# KiCad board q2.kicad_pcb (continued)
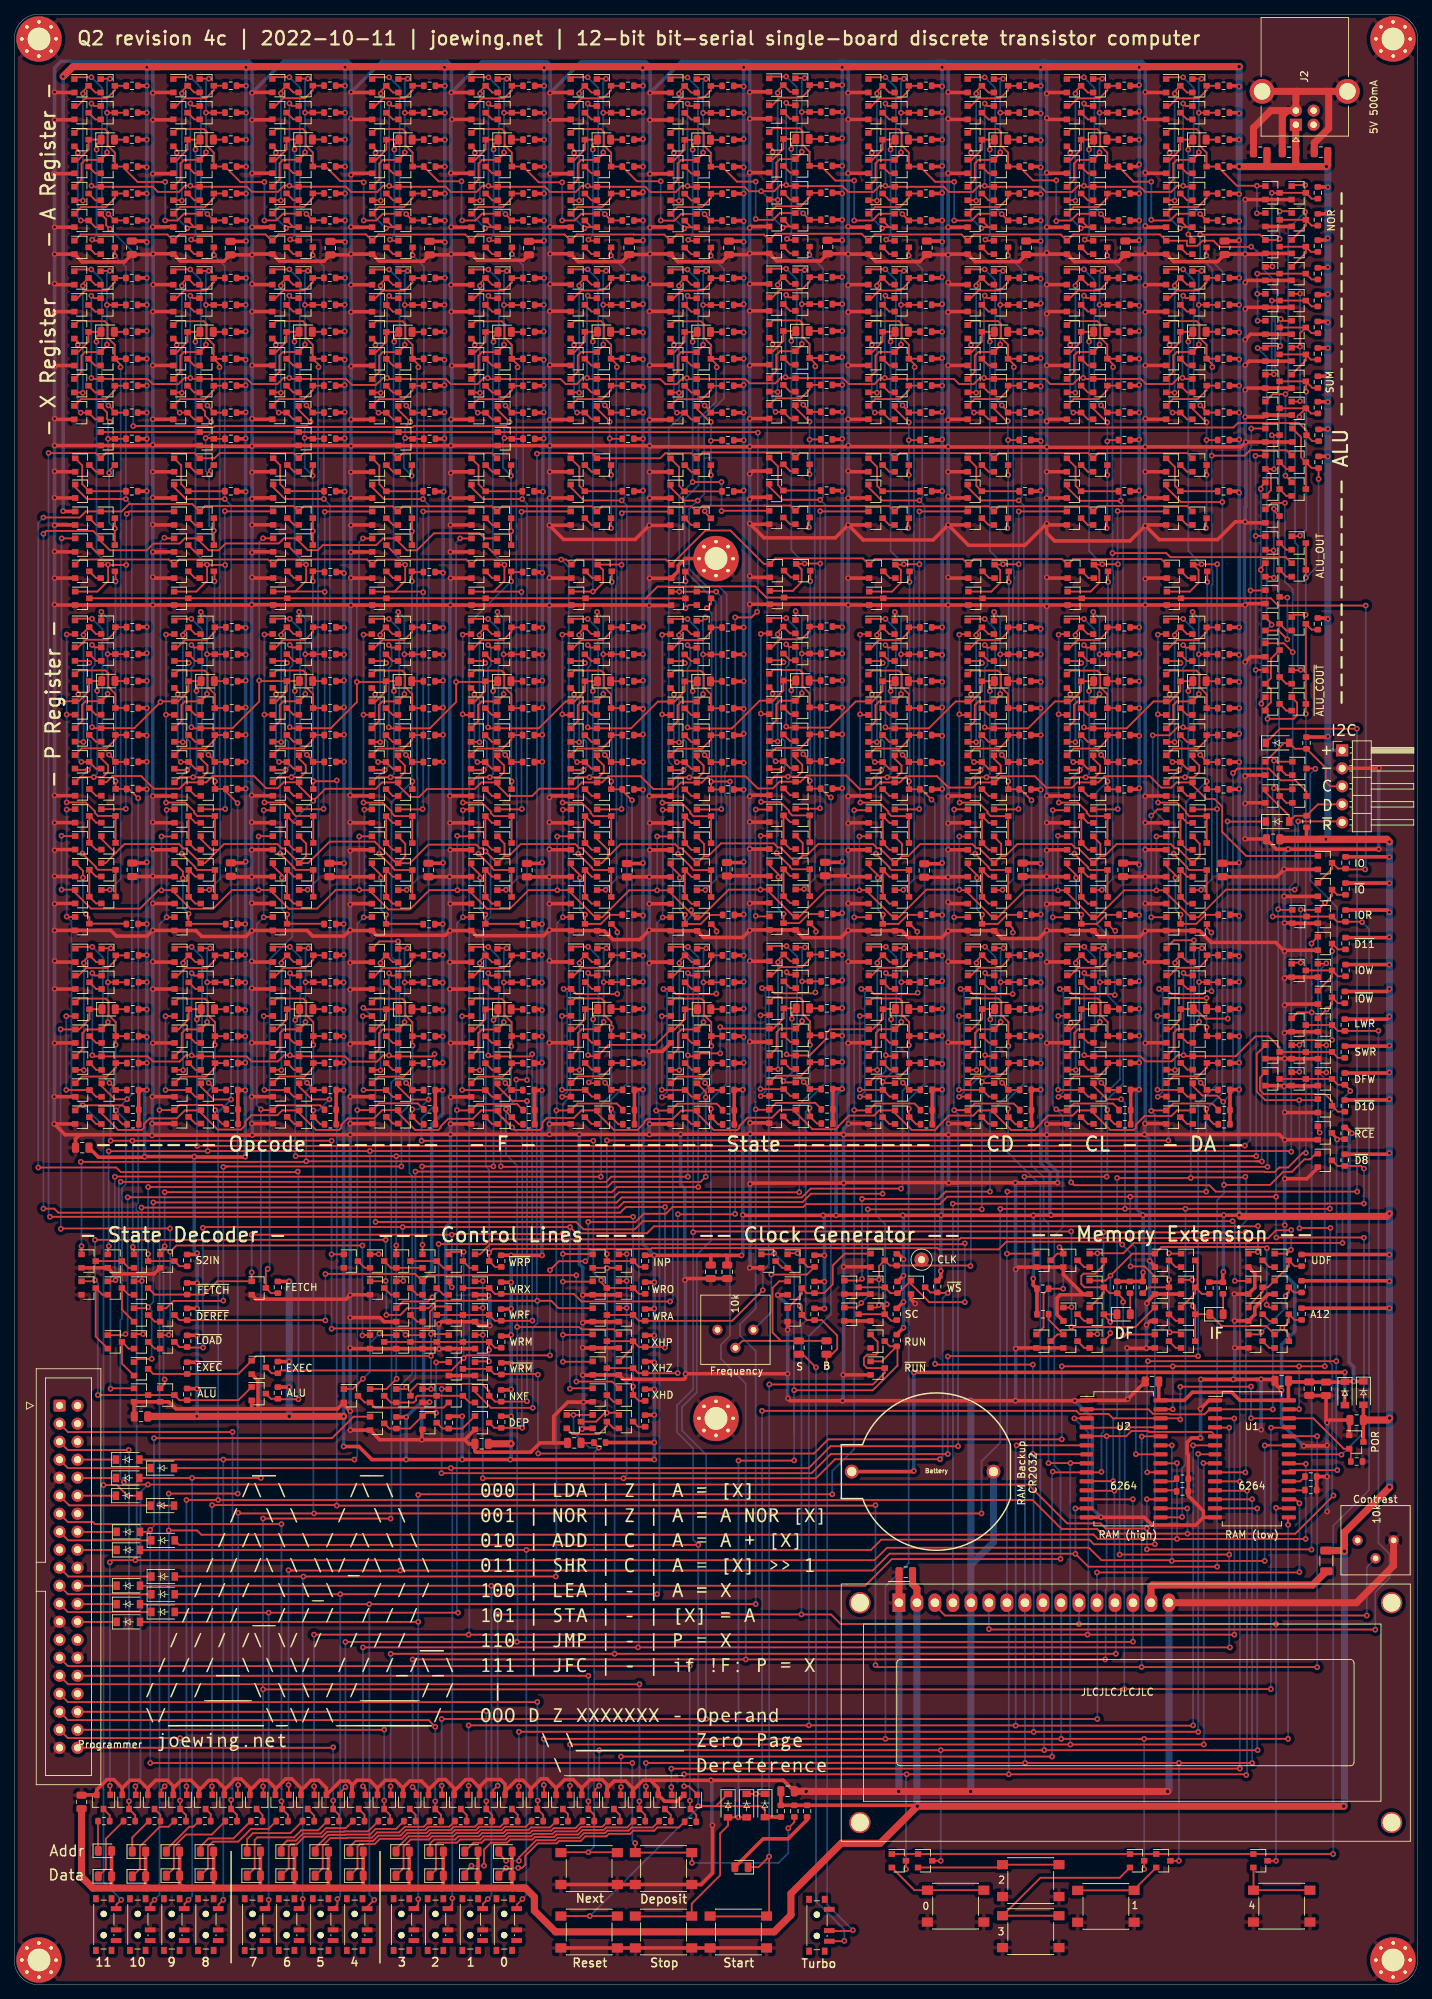
[diagram p0: board, top side]
## Placement (name value [footprint] x y rotation side) (continued)
Q265  2N7002  [SOT-23]  51.44 183.9 0 top
Q266  2N7002  [SOT-23]  51.44 187.7 0 top
Q267  2N7002  [SOT-23]  51.44 176.3 0 top
Q268  2N7002  [SOT-23]  55.14 172.5 0 top
Q269  2N7002  [SOT-23]  51.44 172.5 0 top
Q270  2N7002  [SOT-23]  55.17 145.22 0 top
Q271  2N7002  [SOT-23]  55.17 133.82 0 top
Q272  2N7002  [SOT-23]  51.47 133.82 0 top
Q273  2N7002  [SOT-23]  51.47 145.22 0 top
Q274  2N7002  [SOT-23]  55.17 141.42 0 top
Q275  2N7002  [SOT-23]  55.17 130.02 0 top
Q276  2N7002  [SOT-23]  51.47 137.62 0 top
Q277  2N7002  [SOT-23]  51.47 141.42 0 top
Q278  2N7002  [SOT-23]  51.47 130.02 0 top
Q279  2N7002  [SOT-23]  55.17 126.22 0 top
Q280  2N7002  [SOT-23]  51.47 126.22 0 top
Q281  2N7002  [SOT-23]  69.2 122.4 0 top
Q282  2N7002K  [SOT-23]  65.45 122.4 0 top
Q283  2N7002  [SOT-23]  69.2 245.1 0 top
Q284  2N7002  [SOT-23]  65.5 245.1 0 top
Q285  2N7002  [SOT-23]  69.2 267.9 0 top
Q286  2N7002  [SOT-23]  69.2 256.5 0 top
Q287  2N7002  [SOT-23]  65.5 256.5 0 top
Q288  2N7002  [SOT-23]  65.5 267.9 0 top
Q289  2N7002  [SOT-23]  69.2 264.1 0 top
Q290  2N7002  [SOT-23]  69.2 252.7 0 top
Q291  2N7002  [SOT-23]  65.5 260.3 0 top
Q292  2N7002  [SOT-23]  65.5 264.1 0 top
Q293  2N7002  [SOT-23]  65.5 252.7 0 top
Q294  2N7002  [SOT-23]  69.2 248.9 0 top
Q295  2N7002  [SOT-23]  65.5 248.9 0 top
Q296  2N7002  [SOT-23]  69.11 199.39 0 top
Q297  2N7002  [SOT-23]  69.21 218.09 0 top
Q298  2N7002  [SOT-23]  69.11 203.09 0 top
Q299  2N7002  [SOT-23]  69.11 206.89 0 top
Q300  2N7002  [SOT-23]  69.11 214.39 0 top
Q301  2N7002  [SOT-23]  65.51 199.39 0 top
Q302  2N7002  [SOT-23]  65.51 203.09 0 top
Q303  2N7002  [SOT-23]  65.51 206.89 0 top
Q304  2N7002  [SOT-23]  65.51 214.39 0 top
Q305  2N7002  [SOT-23]  65.51 195.59 0 top
Q306  2N7002  [SOT-23]  65.51 210.69 0 top
Q307  2N7002  [SOT-23]  69.19 240.78 0 top
Q308  2N7002  [SOT-23]  69.19 229.38 0 top
Q309  2N7002  [SOT-23]  65.49 229.38 0 top
Q310  2N7002  [SOT-23]  65.49 240.78 0 top
Q311  2N7002  [SOT-23]  69.19 236.98 0 top
Q312  2N7002  [SOT-23]  69.19 225.58 0 top
Q313  2N7002  [SOT-23]  65.49 233.18 0 top
Q314  2N7002  [SOT-23]  65.49 236.98 0 top
Q315  2N7002  [SOT-23]  65.49 225.58 0 top
Q316  2N7002  [SOT-23]  69.19 221.78 0 top
Q317  2N7002  [SOT-23]  65.49 221.78 0 top
Q318  2N7002  [SOT-23]  69.17 168.67 0 top
Q319  2N7002  [SOT-23]  65.47 168.67 0 top
Q320  2N7002  [SOT-23]  69.17 157.27 0 top
Q321  2N7002  [SOT-23]  69.17 153.47 0 top
Q322  2N7002  [SOT-23]  69.17 161.07 0 top
Q323  2N7002  [SOT-23]  69.17 164.87 0 top
Q324  2N7002K  [SOT-23]  65.47 153.47 0 top
Q325  2N7002  [SOT-23]  65.47 157.27 0 top
Q326  2N7002K  [SOT-23]  65.47 161.07 0 top
Q327  2N7002K  [SOT-23]  65.47 164.87 0 top
Q328  2N7002K  [SOT-23]  65.47 149.67 0 top
Q329  2N7002  [SOT-23]  69.14 191.5 0 top
Q330  2N7002  [SOT-23]  69.14 180.1 0 top
Q331  2N7002  [SOT-23]  65.44 180.1 0 top
Q332  2N7002  [SOT-23]  65.44 191.5 0 top
Q333  2N7002  [SOT-23]  69.14 187.7 0 top
Q334  2N7002  [SOT-23]  69.14 176.3 0 top
Q335  2N7002  [SOT-23]  65.44 183.9 0 top
Q336  2N7002  [SOT-23]  65.44 187.7 0 top
Q337  2N7002  [SOT-23]  65.44 176.3 0 top
Q338  2N7002  [SOT-23]  69.14 172.5 0 top
Q339  2N7002  [SOT-23]  65.44 172.5 0 top
Q340  2N7002  [SOT-23]  69.17 145.22 0 top
Q341  2N7002  [SOT-23]  69.17 133.82 0 top
Q342  2N7002  [SOT-23]  65.47 133.82 0 top
Q343  2N7002  [SOT-23]  65.47 145.22 0 top
Q344  2N7002  [SOT-23]  69.17 141.42 0 top
Q345  2N7002  [SOT-23]  69.17 130.02 0 top
Q346  2N7002  [SOT-23]  65.47 137.62 0 top
Q347  2N7002  [SOT-23]  65.47 141.42 0 top
Q348  2N7002  [SOT-23]  65.47 130.02 0 top
Q349  2N7002  [SOT-23]  69.17 126.22 0 top
Q350  2N7002  [SOT-23]  65.47 126.22 0 top
Q351  2N7002  [SOT-23]  111.25 122.5 0 top
Q352  2N7002K  [SOT-23]  107.5 122.5 0 top
Q353  2N7002K  [SOT-23]  111.25 149.75 0 top
Q354  2N7002  [SOT-23]  111.2 245.2 0 top
Q355  2N7002  [SOT-23]  107.5 245.2 0 top
Q356  2N7002  [SOT-23]  111.2 268 0 top
Q357  2N7002  [SOT-23]  111.2 256.6 0 top
Q358  2N7002  [SOT-23]  107.5 256.6 0 top
Q359  2N7002  [SOT-23]  107.5 268 0 top
Q360  2N7002  [SOT-23]  111.2 264.2 0 top
Q361  2N7002  [SOT-23]  111.2 252.8 0 top
Q362  2N7002  [SOT-23]  107.5 260.4 0 top
Q363  2N7002  [SOT-23]  107.5 264.2 0 top
Q364  2N7002  [SOT-23]  107.5 252.8 0 top
Q365  2N7002  [SOT-23]  111.2 249 0 top
Q366  2N7002  [SOT-23]  107.5 249 0 top
Q367  2N7002  [SOT-23]  111.23 168.77 0 top
Q368  2N7002  [SOT-23]  107.53 168.77 0 top
Q369  2N7002  [SOT-23]  111.23 157.37 0 top
Q370  2N7002  [SOT-23]  111.23 153.57 0 top
Q371  2N7002  [SOT-23]  111.23 161.17 0 top
Q372  2N7002  [SOT-23]  111.23 164.97 0 top
Q373  2N7002K  [SOT-23]  107.53 153.57 0 top
Q374  2N7002  [SOT-23]  107.53 157.37 0 top
Q375  2N7002K  [SOT-23]  107.53 161.17 0 top
Q376  2N7002K  [SOT-23]  107.53 164.97 0 top
Q377  2N7002K  [SOT-23]  107.53 149.77 0 top
Q378  2N7002  [SOT-23]  111.2 191.6 0 top
Q379  2N7002  [SOT-23]  111.2 180.2 0 top
Q380  2N7002  [SOT-23]  107.5 180.2 0 top
Q381  2N7002  [SOT-23]  107.5 191.6 0 top
Q382  2N7002  [SOT-23]  111.2 187.8 0 top
Q383  2N7002  [SOT-23]  111.2 176.4 0 top
Q384  2N7002  [SOT-23]  107.5 184 0 top
Q385  2N7002  [SOT-23]  107.5 187.8 0 top
Q386  2N7002  [SOT-23]  107.5 176.4 0 top
Q387  2N7002  [SOT-23]  111.2 172.6 0 top
Q388  2N7002  [SOT-23]  107.5 172.6 0 top
Q389  2N7002  [SOT-23]  111.3 199.5 0 top
Q390  2N7002  [SOT-23]  111.2 207 0 top
Q391  2N7002  [SOT-23]  111.2 214.5 0 top
Q392  2N7002  [SOT-23]  107.6 199.5 0 top
Q393  2N7002  [SOT-23]  107.5 207 0 top
Q394  2N7002  [SOT-23]  107.5 214.5 0 top
Q395  2N7002  [SOT-23]  107.6 195.7 0 top
Q396  2N7002  [SOT-23]  107.5 210.8 0 top
Q397  2N7002  [SOT-23]  111.2 240.9 0 top
Q398  2N7002  [SOT-23]  111.2 229.5 0 top
Q399  2N7002  [SOT-23]  107.5 229.5 0 top
Q400  2N7002  [SOT-23]  107.5 240.9 0 top
Q401  2N7002  [SOT-23]  111.2 237.1 0 top
Q402  2N7002  [SOT-23]  111.2 225.7 0 top
Q403  2N7002  [SOT-23]  107.5 233.3 0 top
Q404  2N7002  [SOT-23]  107.5 237.1 0 top
Q405  2N7002  [SOT-23]  107.5 225.7 0 top
Q406  2N7002  [SOT-23]  111.2 221.9 0 top
Q407  2N7002  [SOT-23]  107.5 221.9 0 top
Q408  2N7002  [SOT-23]  111.25 145.35 0 top
Q409  2N7002  [SOT-23]  111.25 133.95 0 top
Q410  2N7002  [SOT-23]  107.55 133.95 0 top
Q411  2N7002  [SOT-23]  107.55 145.35 0 top
Q412  2N7002  [SOT-23]  111.25 141.55 0 top
Q413  2N7002  [SOT-23]  111.25 130.15 0 top
Q414  2N7002  [SOT-23]  107.55 137.75 0 top
Q415  2N7002  [SOT-23]  107.55 141.55 0 top
Q416  2N7002  [SOT-23]  107.55 130.15 0 top
Q417  2N7002  [SOT-23]  111.25 126.35 0 top
Q418  2N7002  [SOT-23]  107.55 126.35 0 top
Q419  2N7002  [SOT-23]  125.25 122.4 0 top
Q420  2N7002K  [SOT-23]  121.5 122.4 0 top
Q421  2N7002K  [SOT-23]  125.25 149.65 0 top
Q422  2N7002  [SOT-23]  125.2 245.1 0 top
Q423  2N7002  [SOT-23]  121.5 245.1 0 top
Q424  2N7002  [SOT-23]  125.2 267.9 0 top
Q425  2N7002  [SOT-23]  125.2 256.5 0 top
Q426  2N7002  [SOT-23]  121.5 256.5 0 top
Q427  2N7002  [SOT-23]  121.5 267.9 0 top
Q428  2N7002  [SOT-23]  125.2 264.1 0 top
Q429  2N7002  [SOT-23]  125.2 252.7 0 top
Q430  2N7002  [SOT-23]  121.5 260.3 0 top
Q431  2N7002  [SOT-23]  121.5 264.1 0 top
Q432  2N7002  [SOT-23]  121.5 252.7 0 top
Q433  2N7002  [SOT-23]  125.2 248.9 0 top
Q434  2N7002  [SOT-23]  121.5 248.9 0 top
Q435  2N7002  [SOT-23]  125.23 168.67 0 top
Q436  2N7002  [SOT-23]  121.53 168.67 0 top
Q437  2N7002  [SOT-23]  125.23 157.27 0 top
Q438  2N7002  [SOT-23]  125.23 153.47 0 top
Q439  2N7002  [SOT-23]  125.23 161.07 0 top
Q440  2N7002  [SOT-23]  125.23 164.87 0 top
Q441  2N7002K  [SOT-23]  121.53 153.47 0 top
Q442  2N7002  [SOT-23]  121.53 157.27 0 top
Q443  2N7002K  [SOT-23]  121.53 161.07 0 top
Q444  2N7002K  [SOT-23]  121.53 164.87 0 top
Q445  2N7002K  [SOT-23]  121.53 149.67 0 top
Q446  2N7002  [SOT-23]  125.2 191.5 0 top
Q447  2N7002  [SOT-23]  125.2 180.1 0 top
Q448  2N7002  [SOT-23]  121.5 180.1 0 top
Q449  2N7002  [SOT-23]  121.5 191.5 0 top
Q450  2N7002  [SOT-23]  125.2 187.7 0 top
Q451  2N7002  [SOT-23]  125.2 176.3 0 top
Q452  2N7002  [SOT-23]  121.5 183.9 0 top
Q453  2N7002  [SOT-23]  121.5 187.7 0 top
Q454  2N7002  [SOT-23]  121.5 176.3 0 top
Q455  2N7002  [SOT-23]  125.2 172.5 0 top
Q456  2N7002  [SOT-23]  121.5 172.5 0 top
Q457  2N7002  [SOT-23]  125.3 199.4 0 top
Q458  2N7002  [SOT-23]  125.2 206.9 0 top
Q459  2N7002  [SOT-23]  125.2 214.4 0 top
Q460  2N7002  [SOT-23]  121.6 199.4 0 top
Q461  2N7002  [SOT-23]  121.5 206.9 0 top
Q462  2N7002  [SOT-23]  121.5 214.4 0 top
Q463  2N7002  [SOT-23]  121.6 195.6 0 top
Q464  2N7002  [SOT-23]  121.5 210.7 0 top
Q465  2N7002  [SOT-23]  125.2 240.8 0 top
Q466  2N7002  [SOT-23]  125.2 229.4 0 top
Q467  2N7002  [SOT-23]  121.5 229.4 0 top
Q468  2N7002  [SOT-23]  121.5 240.8 0 top
Q469  2N7002  [SOT-23]  125.2 237 0 top
Q470  2N7002  [SOT-23]  125.2 225.6 0 top
Q471  2N7002  [SOT-23]  121.5 233.2 0 top
Q472  2N7002  [SOT-23]  121.5 237 0 top
Q473  2N7002  [SOT-23]  121.5 225.6 0 top
Q474  2N7002  [SOT-23]  125.2 221.8 0 top
Q475  2N7002  [SOT-23]  121.5 221.8 0 top
Q476  2N7002  [SOT-23]  125.25 145.25 0 top
Q477  2N7002  [SOT-23]  125.25 133.85 0 top
Q478  2N7002  [SOT-23]  121.55 133.85 0 top
Q479  2N7002  [SOT-23]  121.55 145.25 0 top
Q480  2N7002  [SOT-23]  125.25 141.45 0 top
Q481  2N7002  [SOT-23]  125.25 130.05 0 top
Q482  2N7002  [SOT-23]  121.55 137.65 0 top
Q483  2N7002  [SOT-23]  121.55 141.45 0 top
Q484  2N7002  [SOT-23]  121.55 130.05 0 top
Q485  2N7002  [SOT-23]  125.25 126.25 0 top
Q486  2N7002  [SOT-23]  121.55 126.25 0 top
Q487  2N7002  [SOT-23]  153.25 122.4 0 top
Q488  2N7002K  [SOT-23]  149.5 122.4 0 top
Q489  2N7002K  [SOT-23]  153.25 149.65 0 top
Q490  2N7002  [SOT-23]  153.2 245.1 0 top
Q491  2N7002  [SOT-23]  149.5 245.1 0 top
Q492  2N7002  [SOT-23]  153.2 267.9 0 top
Q493  2N7002  [SOT-23]  153.2 256.5 0 top
Q494  2N7002  [SOT-23]  149.5 256.5 0 top
Q495  2N7002  [SOT-23]  149.5 267.9 0 top
Q496  2N7002  [SOT-23]  153.2 264.1 0 top
Q497  2N7002  [SOT-23]  153.2 252.7 0 top
Q498  2N7002  [SOT-23]  149.5 260.3 0 top
Q499  2N7002  [SOT-23]  149.5 264.1 0 top
Q500  2N7002  [SOT-23]  149.5 252.7 0 top
Q501  2N7002  [SOT-23]  153.2 248.9 0 top
Q502  2N7002  [SOT-23]  149.5 248.9 0 top
Q503  2N7002  [SOT-23]  153.23 168.67 0 top
Q504  2N7002  [SOT-23]  149.53 168.67 0 top
Q505  2N7002  [SOT-23]  153.23 157.27 0 top
Q506  2N7002  [SOT-23]  153.23 153.47 0 top
Q507  2N7002  [SOT-23]  153.23 161.07 0 top
Q508  2N7002  [SOT-23]  153.23 164.87 0 top
Q509  2N7002K  [SOT-23]  149.53 153.47 0 top
Q510  2N7002  [SOT-23]  149.53 157.27 0 top
Q511  2N7002K  [SOT-23]  149.53 161.07 0 top
Q512  2N7002K  [SOT-23]  149.53 164.87 0 top
Q513  2N7002K  [SOT-23]  149.53 149.67 0 top
Q514  2N7002  [SOT-23]  153.2 191.5 0 top
Q515  2N7002  [SOT-23]  153.2 180.1 0 top
Q516  2N7002  [SOT-23]  149.5 180.1 0 top
Q517  2N7002  [SOT-23]  149.5 191.5 0 top
Q518  2N7002  [SOT-23]  153.2 187.7 0 top
Q519  2N7002  [SOT-23]  153.2 176.3 0 top
Q520  2N7002  [SOT-23]  149.5 183.9 0 top
Q521  2N7002  [SOT-23]  149.5 187.7 0 top
Q522  2N7002  [SOT-23]  149.5 176.3 0 top
Q523  2N7002  [SOT-23]  153.2 172.5 0 top
Q524  2N7002  [SOT-23]  149.5 172.5 0 top
Q525  2N7002  [SOT-23]  153.3 199.4 0 top
Q526  2N7002  [SOT-23]  153.2 206.9 0 top
Q527  2N7002  [SOT-23]  153.2 214.4 0 top
Q528  2N7002  [SOT-23]  149.6 199.4 0 top
Q529  2N7002  [SOT-23]  149.5 206.9 0 top
Q530  2N7002  [SOT-23]  149.5 214.4 0 top
Q531  2N7002  [SOT-23]  149.6 195.6 0 top
Q532  2N7002  [SOT-23]  149.5 210.7 0 top
Q533  2N7002  [SOT-23]  153.2 240.8 0 top
Q534  2N7002  [SOT-23]  153.2 229.4 0 top
Q535  2N7002  [SOT-23]  149.5 229.4 0 top
Q536  2N7002  [SOT-23]  149.5 240.8 0 top
Q537  2N7002  [SOT-23]  153.2 237 0 top
Q538  2N7002  [SOT-23]  153.2 225.6 0 top
Q539  2N7002  [SOT-23]  149.5 233.2 0 top
Q540  2N7002  [SOT-23]  149.5 237 0 top
Q541  2N7002  [SOT-23]  149.5 225.6 0 top
Q542  2N7002  [SOT-23]  153.2 221.8 0 top
Q543  2N7002  [SOT-23]  149.5 221.8 0 top
Q544  2N7002  [SOT-23]  153.25 145.25 0 top
Q545  2N7002  [SOT-23]  153.25 133.85 0 top
Q546  2N7002  [SOT-23]  149.55 133.85 0 top
Q547  2N7002  [SOT-23]  149.55 145.25 0 top
Q548  2N7002  [SOT-23]  153.25 141.45 0 top
Q549  2N7002  [SOT-23]  153.25 130.05 0 top
Q550  2N7002  [SOT-23]  149.55 137.65 0 top
Q551  2N7002  [SOT-23]  149.55 141.45 0 top
Q552  2N7002  [SOT-23]  149.55 130.05 0 top
Q553  2N7002  [SOT-23]  153.25 126.25 0 top
Q554  2N7002  [SOT-23]  149.55 126.25 0 top
Q555  2N7002  [SOT-23]  167.25 122.4 0 top
Q556  2N7002K  [SOT-23]  163.5 122.4 0 top
Q557  2N7002K  [SOT-23]  167.25 149.65 0 top
Q558  2N7002  [SOT-23]  167.2 245.1 0 top
Q559  2N7002  [SOT-23]  163.5 245.1 0 top
Q560  2N7002  [SOT-23]  167.2 267.9 0 top
Q561  2N7002  [SOT-23]  167.2 256.5 0 top
Q562  2N7002  [SOT-23]  163.5 256.5 0 top
Q563  2N7002  [SOT-23]  163.5 267.9 0 top
Q564  2N7002  [SOT-23]  167.2 264.1 0 top
Q565  2N7002  [SOT-23]  167.2 252.7 0 top
Q566  2N7002  [SOT-23]  163.5 260.3 0 top
Q567  2N7002  [SOT-23]  163.5 264.1 0 top
Q568  2N7002  [SOT-23]  163.5 252.7 0 top
Q569  2N7002  [SOT-23]  167.2 248.9 0 top
Q570  2N7002  [SOT-23]  163.5 248.9 0 top
Q571  2N7002  [SOT-23]  167.23 168.67 0 top
Q572  2N7002  [SOT-23]  163.53 168.67 0 top
Q573  2N7002  [SOT-23]  167.23 157.27 0 top
Q574  2N7002  [SOT-23]  167.23 153.47 0 top
Q575  2N7002  [SOT-23]  167.23 161.07 0 top
Q576  2N7002  [SOT-23]  167.23 164.87 0 top
Q577  2N7002K  [SOT-23]  163.53 153.47 0 top
Q578  2N7002  [SOT-23]  163.53 157.27 0 top
Q579  2N7002K  [SOT-23]  163.53 161.07 0 top
Q580  2N7002K  [SOT-23]  163.53 164.87 0 top
Q581  2N7002K  [SOT-23]  163.53 149.67 0 top
Q582  2N7002  [SOT-23]  167.2 191.5 0 top
Q583  2N7002  [SOT-23]  167.2 180.1 0 top
Q584  2N7002  [SOT-23]  163.5 180.1 0 top
Q585  2N7002  [SOT-23]  163.5 191.5 0 top
Q586  2N7002  [SOT-23]  167.2 187.7 0 top
Q587  2N7002  [SOT-23]  167.2 176.3 0 top
Q588  2N7002  [SOT-23]  163.5 183.9 0 top
Q589  2N7002  [SOT-23]  163.5 187.7 0 top
Q590  2N7002  [SOT-23]  163.5 176.3 0 top
Q591  2N7002  [SOT-23]  167.2 172.5 0 top
Q592  2N7002  [SOT-23]  163.5 172.5 0 top
Q593  2N7002  [SOT-23]  167.3 199.4 0 top
Q594  2N7002  [SOT-23]  167.2 206.9 0 top
Q595  2N7002  [SOT-23]  167.2 214.4 0 top
Q596  2N7002  [SOT-23]  163.6 199.4 0 top
Q597  2N7002  [SOT-23]  163.5 206.9 0 top
Q598  2N7002  [SOT-23]  163.5 214.4 0 top
Q599  2N7002  [SOT-23]  163.6 195.6 0 top
Q600  2N7002  [SOT-23]  163.5 210.7 0 top
Q601  2N7002  [SOT-23]  167.2 240.8 0 top
Q602  2N7002  [SOT-23]  167.2 229.4 0 top
Q603  2N7002  [SOT-23]  163.5 229.4 0 top
Q604  2N7002  [SOT-23]  163.5 240.8 0 top
Q605  2N7002  [SOT-23]  167.2 237 0 top
Q606  2N7002  [SOT-23]  167.2 225.6 0 top
Q607  2N7002  [SOT-23]  163.5 233.2 0 top
Q608  2N7002  [SOT-23]  163.5 237 0 top
Q609  2N7002  [SOT-23]  163.5 225.6 0 top
Q610  2N7002  [SOT-23]  167.2 221.8 0 top
Q611  2N7002  [SOT-23]  163.5 221.8 0 top
Q612  2N7002  [SOT-23]  167.25 145.25 0 top
Q613  2N7002  [SOT-23]  167.25 133.85 0 top
Q614  2N7002  [SOT-23]  163.55 133.85 0 top
Q615  2N7002  [SOT-23]  163.55 145.25 0 top
Q616  2N7002  [SOT-23]  167.25 141.45 0 top
Q617  2N7002  [SOT-23]  167.25 130.05 0 top
Q618  2N7002  [SOT-23]  163.55 137.65 0 top
Q619  2N7002  [SOT-23]  163.55 141.45 0 top
Q620  2N7002  [SOT-23]  163.55 130.05 0 top
Q621  2N7002  [SOT-23]  167.25 126.25 0 top
Q622  2N7002  [SOT-23]  163.55 126.25 0 top
Q623  2N7002K  [SOT-23]  110.1 94.5 0 top
Q624  2N7002K  [SOT-23]  110.1 98.3 0 top
Q625  2N7002K  [SOT-23]  110.1 102.1 0 top
Q626  2N7002  [SOT-23]  178.8 98.4 0 top
Q627  2N7002  [SOT-23]  121.8 102.2 0 top
Q628  2N7002K  [SOT-23]  106.4 102.1 0 top
Q629  2N7002  [SOT-23]  121.8 94.6 0 top
Q630  2N7002  [SOT-23]  118.1 94.6 0 top
Q631  2N7002  [SOT-23]  121.8 98.4 0 top
Q632  2N7002  [SOT-23]  118.1 98.4 0 top
Q633  2N7002  [SOT-23]  121.8 90.8 0 top
Q634  2N7002  [SOT-23]  121.8 87 0 top
Q636  2N7002  [SOT-23]  184.88 120.18 0 top
Q637  2N7002  [SOT-23]  184.9 158.3 0 top
Q638  2N7002  [SOT-23]  184.9 154.5 0 top
Q639  2N7002  [SOT-23]  181.2 135.4 0 top
Q640  2N7002  [SOT-23]  184.9 135.4 0 top
Q641  2N7002  [SOT-23]  184.9 146.9 0 top
Q642  2N7002  [SOT-23]  184.9 150.7 0 top
Q643  2N7002  [SOT-23]  181.3 150.7 0 top
Q644  2N7002  [SOT-23]  177.5 131.6 0 top
Q645  2N7002  [SOT-23]  181.2 131.6 0 top
Q646  2N7002  [SOT-23]  184.9 131.6 0 top
Q647  2N7002  [SOT-23]  181.2 143.1 0 top
Q648  2N7002  [SOT-23]  184.9 143.1 0 top
Q649  2N7002  [SOT-23]  184.9 139.3 0 top
Q650  2N7002  [SOT-23]  177.5 127.8 0 top
Q651  2N7002  [SOT-23]  181.2 127.8 0 top
Q652  2N7002  [SOT-23]  184.9 127.8 0 top
Q653  2N7002  [SOT-23]  184.9 124 0 top
Q654  2N7002  [SOT-23]  21.6 94.5 0 top
Q655  2N7002  [SOT-23]  21.6 90.7 0 top
Q656  2N7002  [SOT-23]  34.5 98.3 0 top
Q657  2N7002  [SOT-23]  17.9 98.3 0 top
Q658  2N7002  [SOT-23]  17.9 94.5 0 top
Q659  2N7002  [SOT-23]  17.9 90.7 0 top
Q660  2N7002  [SOT-23]  17.9 86.9 0 top
Q661  2N7002  [SOT-23]  14.2 98.3 0 top
Q662  2N7002  [SOT-23]  14.2 90.7 0 top
Q663  2N7002  [SOT-23]  10.5 98.3 0 top
Q664  2N7002  [SOT-23]  34.5 87.1 0 top
Q665  2N7002  [SOT-23]  17.9 102.1 0 top
Q666  2N7002  [SOT-23]  21.6 83.2 0 top
Q667  2N7002  [SOT-23]  17.9 83.2 0 top
Q668  2N7002  [SOT-23]  34.5 83.4 0 top
Q669  2N7002  [SOT-23]  10.5 102.1 0 top
Q670  2N7002  [SOT-23]  14.2 102.1 0 top
Q671  2N7002  [SOT-23]  21.6 102.1 0 top
Q672  2N7002  [SOT-23]  82.6 90.8 0 top
Q673  2N7002  [SOT-23]  86.3 90.8 0 top
Q674  2N7002  [SOT-23]  127.5 98.4 0 top
Q675  2N7002  [SOT-23]  82.6 102.1 0 top
Q676  2N7002  [SOT-23]  86.3 102.1 0 top
Q677  2N7002  [SOT-23]  54.9 83.1 0 top
Q678  2N7002  [SOT-23]  66 83.1 0 top
Q679  2N7002  [SOT-23]  58.6 83.1 0 top
Q680  2N7002  [SOT-23]  51.2 83.1 0 top
Q681  2N7002  [SOT-23]  62.3 83.1 0 top
Q682  2N7002  [SOT-23]  78.95 79.45 0 top
Q683  2N7002  [SOT-23]  86.3 79.45 0 top
Q684  2N7002  [SOT-23]  82.6 87 0 top
Q685  2N7002  [SOT-23]  86.3 87 0 top
Q686  2N7002  [SOT-23]  47.5 83.1 0 top
Q687  2N7002  [SOT-23]  82.6 79.45 0 top
Q688  2N7002  [SOT-23]  86.3 83.2 0 top
Q689  2N7002  [SOT-23]  82.6 83.2 0 top
Q690  2N7002  [SOT-23]  62.3 98.3 0 top
Q691  2N7002  [SOT-23]  66 98.3 0 top
Q692  2N7002  [SOT-23]  51.2 90.7 0 top
Q693  2N7002  [SOT-23]  54.9 90.7 0 top
Q694  2N7002  [SOT-23]  58.6 90.7 0 top
Q695  2N7002  [SOT-23]  62.3 90.7 0 top
Q696  2N7002  [SOT-23]  66 90.7 0 top
Q697  2N7002  [SOT-23]  66 86.9 0 top
Q698  2N7002  [SOT-23]  62.3 86.9 0 top
Q699  2N7002  [SOT-23]  58.6 98.3 0 top
Q700  2N7002  [SOT-23]  54.9 98.3 0 top
Q701  2N7002  [SOT-23]  58.6 94.5 0 top
Q702  2N7002  [SOT-23]  62.3 94.5 0 top
Q703  2N7002  [SOT-23]  66 94.5 0 top
Q704  2N7002  [SOT-23]  51.2 98.3 0 top
Q705  2N7002  [SOT-23]  54.9 94.5 0 top
Q706  2N7002K  [SOT-23]  51.2 79.2 0 top
Q707  2N7002  [SOT-23]  58.6 79.3 0 top
Q708  2N7002  [SOT-23]  66 79.3 0 top
Q709  2N7002  [SOT-23]  66 102.1 0 top
Q710  2N7002  [SOT-23]  62.3 102.1 0 top
Q711  2N7002  [SOT-23]  58.6 102.1 0 top
Q712  2N7002  [SOT-23]  54.9 102.1 0 top
Q713  2N7002  [SOT-23]  82.6 94.5 0 top
Q714  2N7002  [SOT-23]  86.3 94.5 0 top
Q715  2N7002  [SOT-23]  82.6 98.3 0 top
Q716  2N7002  [SOT-23]  86.3 98.3 0 top
Q717  2N7002  [SOT-23]  51.2 102.1 0 top
Q718  2N7002  [SOT-23]  47.5 102.1 0 top
Q719  2N7002  [SOT-23]  177.5 252.8 0 top
Q720  2N7002  [SOT-23]  181.2 252.8 0 top
Q721  2N7002  [SOT-23]  177.5 237.6 0 top
Q722  2N7002  [SOT-23]  181.2 237.6 0 top
Q723  2N7002  [SOT-23]  177.5 241.4 0 top
Q724  2N7002  [SOT-23]  181.2 241.4 0 top
Q725  2N7002  [SOT-23]  177.5 226.2 0 top
Q726  2N7002  [SOT-23]  181.2 226.2 0 top
Q727  2N7002  [SOT-23]  177.5 249 0 top
Q728  2N7002  [SOT-23]  181.2 249 0 top
Q729  2N7002  [SOT-23]  177.5 233.8 0 top
Q730  2N7002  [SOT-23]  181.2 233.8 0 top
Q731  2N7002  [SOT-23]  177.5 245.2 0 top
Q732  2N7002  [SOT-23]  181.2 245.2 0 top
Q733  2N7002  [SOT-23]  177.5 230 0 top
Q734  2N7002  [SOT-23]  181.2 230 0 top
Q735  2N7002  [SOT-23]  177.5 222.4 0 top
Q736  2N7002  [SOT-23]  181.2 222.4 0 top
Q737  2N7002  [SOT-23]  181.2 192 0 top
Q738  2N7002  [SOT-23]  181.2 184.5 0 top
Q739  2N7002  [SOT-23]  181.2 180.7 0 top
Q740  2N7002  [SOT-23]  181.2 214.8 0 top
Q741  2N7002  [SOT-23]  181.2 211 0 top
Q742  2N7002  [SOT-23]  181.2 203.4 0 top
Q743  2N7002  [SOT-23]  181.2 199.6 0 top
Q744  2N7002  [SOT-23]  181.3 218.6 0 top
Q745  2N7002  [SOT-23]  177.5 192 0 top
Q746  2N7002  [SOT-23]  177.5 184.5 0 top
Q747  2N7002  [SOT-23]  177.5 180.7 0 top
Q748  2N7002  [SOT-23]  177.5 214.8 0 top
Q749  2N7002  [SOT-23]  177.5 211 0 top
Q750  2N7002  [SOT-23]  177.5 203.4 0 top
Q751  2N7002  [SOT-23]  177.5 199.6 0 top
Q752  2N7002  [SOT-23]  177.5 195.8 0 top
Q753  2N7002  [SOT-23]  177.5 188.3 0 top
Q754  2N7002  [SOT-23]  177.5 218.6 0 top
Q755  2N7002  [SOT-23]  177.5 207.2 0 top
Q756  2N7002  [SOT-23]  139.25 122.4 0 top
Q757  2N7002K  [SOT-23]  135.5 122.4 0 top
Q758  2N7002K  [SOT-23]  139.25 149.65 0 top
Q759  2N7002  [SOT-23]  139.2 245.1 0 top
Q760  2N7002  [SOT-23]  135.5 245.1 0 top
Q761  2N7002  [SOT-23]  139.2 267.9 0 top
Q762  2N7002  [SOT-23]  139.2 256.5 0 top
Q763  2N7002  [SOT-23]  135.5 256.5 0 top
Q764  2N7002  [SOT-23]  135.5 267.9 0 top
Q765  2N7002  [SOT-23]  139.2 264.1 0 top
Q766  2N7002  [SOT-23]  139.2 252.7 0 top
Q767  2N7002  [SOT-23]  135.5 260.3 0 top
Q768  2N7002  [SOT-23]  135.5 264.1 0 top
Q769  2N7002  [SOT-23]  135.5 252.7 0 top
Q770  2N7002  [SOT-23]  139.2 248.9 0 top
Q771  2N7002  [SOT-23]  135.5 248.9 0 top
Q772  2N7002  [SOT-23]  139.23 168.67 0 top
Q773  2N7002  [SOT-23]  135.53 168.67 0 top
Q774  2N7002  [SOT-23]  139.23 157.27 0 top
Q775  2N7002  [SOT-23]  139.23 153.47 0 top
Q776  2N7002  [SOT-23]  139.23 161.07 0 top
Q777  2N7002  [SOT-23]  139.23 164.87 0 top
Q778  2N7002K  [SOT-23]  135.53 153.47 0 top
Q779  2N7002  [SOT-23]  135.53 157.27 0 top
Q780  2N7002K  [SOT-23]  135.53 161.07 0 top
Q781  2N7002K  [SOT-23]  135.53 164.87 0 top
Q782  2N7002K  [SOT-23]  135.53 149.67 0 top
Q783  2N7002  [SOT-23]  139.2 191.5 0 top
Q784  2N7002  [SOT-23]  139.2 180.1 0 top
Q785  2N7002  [SOT-23]  135.5 180.1 0 top
Q786  2N7002  [SOT-23]  135.5 191.5 0 top
Q787  2N7002  [SOT-23]  139.2 187.7 0 top
Q788  2N7002  [SOT-23]  139.2 176.3 0 top
Q789  2N7002  [SOT-23]  135.5 183.9 0 top
Q790  2N7002  [SOT-23]  135.5 187.7 0 top
Q791  2N7002  [SOT-23]  135.5 176.3 0 top
Q792  2N7002  [SOT-23]  139.2 172.5 0 top
Q793  2N7002  [SOT-23]  135.5 172.5 0 top
Q794  2N7002  [SOT-23]  139.3 199.4 0 top
Q795  2N7002  [SOT-23]  139.2 206.9 0 top
Q796  2N7002  [SOT-23]  139.2 214.4 0 top
Q797  2N7002  [SOT-23]  135.6 199.4 0 top
Q798  2N7002  [SOT-23]  135.5 206.9 0 top
Q799  2N7002  [SOT-23]  135.5 214.4 0 top
Q800  2N7002  [SOT-23]  135.6 195.6 0 top
Q801  2N7002  [SOT-23]  135.5 210.7 0 top
Q802  2N7002  [SOT-23]  139.2 240.8 0 top
Q803  2N7002  [SOT-23]  139.2 229.4 0 top
Q804  2N7002  [SOT-23]  135.5 229.4 0 top
Q805  2N7002  [SOT-23]  135.5 240.8 0 top
Q806  2N7002  [SOT-23]  139.2 237 0 top
Q807  2N7002  [SOT-23]  139.2 225.6 0 top
Q808  2N7002  [SOT-23]  135.5 233.2 0 top
Q809  2N7002  [SOT-23]  135.5 237 0 top
Q810  2N7002  [SOT-23]  135.5 225.6 0 top
Q811  2N7002  [SOT-23]  139.2 221.8 0 top
Q812  2N7002  [SOT-23]  135.5 221.8 0 top
Q813  2N7002  [SOT-23]  139.25 145.25 0 top
Q814  2N7002  [SOT-23]  139.25 133.85 0 top
Q815  2N7002  [SOT-23]  135.55 133.85 0 top
Q816  2N7002  [SOT-23]  135.55 145.25 0 top
Q817  2N7002  [SOT-23]  139.25 141.45 0 top
Q818  2N7002  [SOT-23]  139.25 130.05 0 top
Q819  2N7002  [SOT-23]  135.55 137.65 0 top
Q820  2N7002  [SOT-23]  135.55 141.45 0 top
Q821  2N7002  [SOT-23]  135.55 130.05 0 top
Q822  2N7002  [SOT-23]  139.25 126.25 0 top
Q823  2N7002  [SOT-23]  135.55 126.25 0 top
Q824  2N7002  [SOT-23]  184.89 116.31 0 top
Q825  2N7002  [SOT-23]  175.8 17.5 0 top
Q826  2N7002  [SOT-23]  158.4 17.5 0 top
Q827  2N7002  [SOT-23]  128.5 17.5 0 top
Q828  2N7002  [SOT-23]  162.1 17.5 0 top
Q829  2N7002  [SOT-23]  124.8 17.5 0 top
Q830  2N7002  [SOT-23]  181.3 167.7 0 top
Q831  2N7002K  [SOT-23]  177.5 167.7 0 top
Q832  2N7002  [SOT-23]  181.3 171.6 0 top
Q833  2N7002K  [SOT-23]  177.5 171.6 0 top
Q834  2N7002  [SOT-23]  97.33 122.38 0 top
Q835  2N7002K  [SOT-23]  93.58 122.38 0 top
Q836  2N7002K  [SOT-23]  97.33 149.63 0 top
Q837  2N7002  [SOT-23]  97.28 245.08 0 top
Q838  2N7002  [SOT-23]  93.58 245.08 0 top
Q839  2N7002  [SOT-23]  97.28 267.88 0 top
Q840  2N7002  [SOT-23]  97.28 256.48 0 top
Q841  2N7002  [SOT-23]  93.58 256.48 0 top
Q842  2N7002  [SOT-23]  93.58 267.88 0 top
Q843  2N7002  [SOT-23]  97.28 264.08 0 top
Q844  2N7002  [SOT-23]  97.28 252.68 0 top
Q845  2N7002  [SOT-23]  93.58 260.28 0 top
Q846  2N7002  [SOT-23]  93.58 264.08 0 top
Q847  2N7002  [SOT-23]  93.58 252.68 0 top
Q848  2N7002  [SOT-23]  97.28 248.88 0 top
Q849  2N7002  [SOT-23]  93.58 248.88 0 top
Q850  2N7002  [SOT-23]  97.31 168.65 0 top
Q851  2N7002  [SOT-23]  93.61 168.65 0 top
Q852  2N7002  [SOT-23]  97.31 157.25 0 top
Q853  2N7002  [SOT-23]  97.31 153.45 0 top
Q854  2N7002  [SOT-23]  97.31 161.05 0 top
Q855  2N7002  [SOT-23]  97.31 164.85 0 top
Q856  2N7002K  [SOT-23]  93.61 153.45 0 top
Q857  2N7002  [SOT-23]  93.61 157.25 0 top
Q858  2N7002K  [SOT-23]  93.61 161.05 0 top
Q859  2N7002K  [SOT-23]  93.61 164.85 0 top
Q860  2N7002K  [SOT-23]  93.61 149.65 0 top
Q861  2N7002  [SOT-23]  97.28 191.48 0 top
Q862  2N7002  [SOT-23]  97.28 180.08 0 top
Q863  2N7002  [SOT-23]  93.58 180.08 0 top
Q864  2N7002  [SOT-23]  93.58 191.48 0 top
Q865  2N7002  [SOT-23]  97.28 187.68 0 top
Q866  2N7002  [SOT-23]  97.28 176.28 0 top
Q867  2N7002  [SOT-23]  93.58 183.88 0 top
Q868  2N7002  [SOT-23]  93.58 187.68 0 top
Q869  2N7002  [SOT-23]  93.58 176.28 0 top
Q870  2N7002  [SOT-23]  97.28 172.48 0 top
Q871  2N7002  [SOT-23]  93.58 172.48 0 top
Q872  2N7002  [SOT-23]  97.3 195.6 0 top
Q873  2N7002  [SOT-23]  97.28 206.88 0 top
Q874  2N7002  [SOT-23]  97.28 214.38 0 top
Q875  2N7002  [SOT-23]  93.68 199.38 0 top
Q876  2N7002  [SOT-23]  93.58 206.88 0 top
Q877  2N7002  [SOT-23]  93.58 214.38 0 top
Q878  2N7002  [SOT-23]  93.68 195.58 0 top
Q879  2N7002  [SOT-23]  93.58 210.68 0 top
Q880  2N7002  [SOT-23]  97.28 240.78 0 top
Q881  2N7002  [SOT-23]  97.28 229.38 0 top
Q882  2N7002  [SOT-23]  93.58 229.38 0 top
Q883  2N7002  [SOT-23]  93.58 240.78 0 top
Q884  2N7002  [SOT-23]  97.28 236.98 0 top
Q885  2N7002  [SOT-23]  97.28 225.58 0 top
Q886  2N7002  [SOT-23]  93.58 233.18 0 top
Q887  2N7002  [SOT-23]  93.58 236.98 0 top
Q888  2N7002  [SOT-23]  93.58 225.58 0 top
Q889  2N7002  [SOT-23]  97.28 221.78 0 top
Q890  2N7002  [SOT-23]  93.58 221.78 0 top
Q891  2N7002  [SOT-23]  97.33 145.23 0 top
Q892  2N7002  [SOT-23]  97.33 133.83 0 top
Q893  2N7002  [SOT-23]  93.63 133.83 0 top
Q894  2N7002  [SOT-23]  93.63 145.23 0 top
Q895  2N7002  [SOT-23]  97.33 141.43 0 top
Q896  2N7002  [SOT-23]  97.33 130.03 0 top
Q897  2N7002  [SOT-23]  93.63 137.63 0 top
Q898  2N7002  [SOT-23]  93.63 141.43 0 top
Q899  2N7002  [SOT-23]  93.63 130.03 0 top
Q900  2N7002  [SOT-23]  97.33 126.23 0 top
Q901  2N7002  [SOT-23]  93.63 126.23 0 top
Q902  2N7002  [SOT-23]  83.25 122.4 0 top
Q903  2N7002K  [SOT-23]  79.5 122.4 0 top
Q904  2N7002K  [SOT-23]  83.25 149.65 0 top
Q905  2N7002  [SOT-23]  83.2 245.1 0 top
Q906  2N7002  [SOT-23]  79.5 245.1 0 top
Q907  2N7002  [SOT-23]  83.2 267.9 0 top
Q908  2N7002  [SOT-23]  83.2 256.5 0 top
Q909  2N7002  [SOT-23]  79.5 256.5 0 top
Q910  2N7002  [SOT-23]  79.5 267.9 0 top
Q911  2N7002  [SOT-23]  83.2 264.1 0 top
Q912  2N7002  [SOT-23]  83.2 252.7 0 top
Q913  2N7002  [SOT-23]  79.5 260.3 0 top
Q914  2N7002  [SOT-23]  79.5 264.1 0 top
Q915  2N7002  [SOT-23]  79.5 252.7 0 top
Q916  2N7002  [SOT-23]  83.2 248.9 0 top
Q917  2N7002  [SOT-23]  79.5 248.9 0 top
Q918  2N7002  [SOT-23]  83.23 168.67 0 top
Q919  2N7002  [SOT-23]  79.53 168.67 0 top
Q920  2N7002  [SOT-23]  83.23 157.27 0 top
Q921  2N7002  [SOT-23]  83.23 153.47 0 top
Q922  2N7002  [SOT-23]  83.23 161.07 0 top
Q923  2N7002  [SOT-23]  83.23 164.87 0 top
Q924  2N7002K  [SOT-23]  79.53 153.47 0 top
Q925  2N7002  [SOT-23]  79.53 157.27 0 top
Q926  2N7002K  [SOT-23]  79.53 161.07 0 top
Q927  2N7002K  [SOT-23]  79.53 164.87 0 top
Q928  2N7002K  [SOT-23]  79.53 149.67 0 top
Q929  2N7002  [SOT-23]  83.2 191.5 0 top
Q930  2N7002  [SOT-23]  83.2 180.1 0 top
Q931  2N7002  [SOT-23]  79.5 180.1 0 top
Q932  2N7002  [SOT-23]  79.5 191.5 0 top
Q933  2N7002  [SOT-23]  83.2 187.7 0 top
Q934  2N7002  [SOT-23]  83.2 176.3 0 top
Q935  2N7002  [SOT-23]  79.5 183.9 0 top
Q936  2N7002  [SOT-23]  79.5 187.7 0 top
Q937  2N7002  [SOT-23]  79.5 176.3 0 top
Q938  2N7002  [SOT-23]  83.2 172.5 0 top
Q939  2N7002  [SOT-23]  79.5 172.5 0 top
Q940  2N7002  [SOT-23]  83.3 199.4 0 top
Q941  2N7002  [SOT-23]  83.2 206.9 0 top
Q942  2N7002  [SOT-23]  83.2 214.4 0 top
Q943  2N7002  [SOT-23]  79.6 199.4 0 top
Q944  2N7002  [SOT-23]  79.5 206.9 0 top
Q945  2N7002  [SOT-23]  79.5 214.4 0 top
Q946  2N7002  [SOT-23]  79.6 195.6 0 top
Q947  2N7002  [SOT-23]  79.5 210.7 0 top
Q948  2N7002  [SOT-23]  83.2 240.8 0 top
Q949  2N7002  [SOT-23]  83.2 229.4 0 top
Q950  2N7002  [SOT-23]  79.5 229.4 0 top
Q951  2N7002  [SOT-23]  79.5 240.8 0 top
Q952  2N7002  [SOT-23]  83.2 237 0 top
Q953  2N7002  [SOT-23]  83.2 225.6 0 top
Q954  2N7002  [SOT-23]  79.5 233.2 0 top
Q955  2N7002  [SOT-23]  79.5 237 0 top
Q956  2N7002  [SOT-23]  79.5 225.6 0 top
Q957  2N7002  [SOT-23]  83.2 221.8 0 top
Q958  2N7002  [SOT-23]  79.5 221.8 0 top
Q959  2N7002  [SOT-23]  83.25 145.25 0 top
Q960  2N7002  [SOT-23]  83.25 133.85 0 top
Q961  2N7002  [SOT-23]  79.55 133.85 0 top
Q962  2N7002  [SOT-23]  79.55 145.25 0 top
Q963  2N7002  [SOT-23]  83.25 141.45 0 top
Q964  2N7002  [SOT-23]  83.25 130.05 0 top
Q965  2N7002  [SOT-23]  79.55 137.65 0 top
Q966  2N7002  [SOT-23]  79.55 141.45 0 top
Q967  2N7002  [SOT-23]  79.55 130.05 0 top
Q968  2N7002  [SOT-23]  83.25 126.25 0 top
Q969  2N7002  [SOT-23]  79.55 126.25 0 top
Q970  2N7002  [SOT-23]  12.6 25.8 270 top
Q971  2N7002  [SOT-23]  19.8 25.8 270 top
Q972  2N7002  [SOT-23]  27 25.8 270 top
Q973  2N7002  [SOT-23]  34.2 25.8 270 top
Q974  2N7002  [SOT-23]  55.8 25.8 270 top
Q975  2N7002  [SOT-23]  63 25.8 270 top
Q976  2N7002  [SOT-23]  70.2 25.8 270 top
Q977  2N7002  [SOT-23]  41.4 25.8 270 top
Q978  2N7002  [SOT-23]  48.6 25.8 270 top
Q979  2N7002  [SOT-23]  77.4 25.8 270 top
Q980  2N7002  [SOT-23]  84.6 25.8 270 top
Q981  2N7002  [SOT-23]  91.8 25.8 270 top
Q982  2N7002  [SOT-23]  16.2 25.8 270 top
Q983  2N7002  [SOT-23]  23.4 25.8 270 top
Q984  2N7002  [SOT-23]  30.6 25.8 270 top
Q985  2N7002  [SOT-23]  37.8 25.8 270 top
Q986  2N7002  [SOT-23]  45 25.8 270 top
Q987  2N7002  [SOT-23]  52.2 25.8 270 top
